# Altium PCB PCB1.PcbDoc (part 2 of 2)
Units mm, origin at the board's own origin, x right, y up, seen from the top; angles counter-clockwise.
Board outline 208 x 86 mm, 2 copper layers (Top Side, Bottom Layer), stack 1.571 mm thick; 59 components, 81 nets, 740 pads, 262 vias.
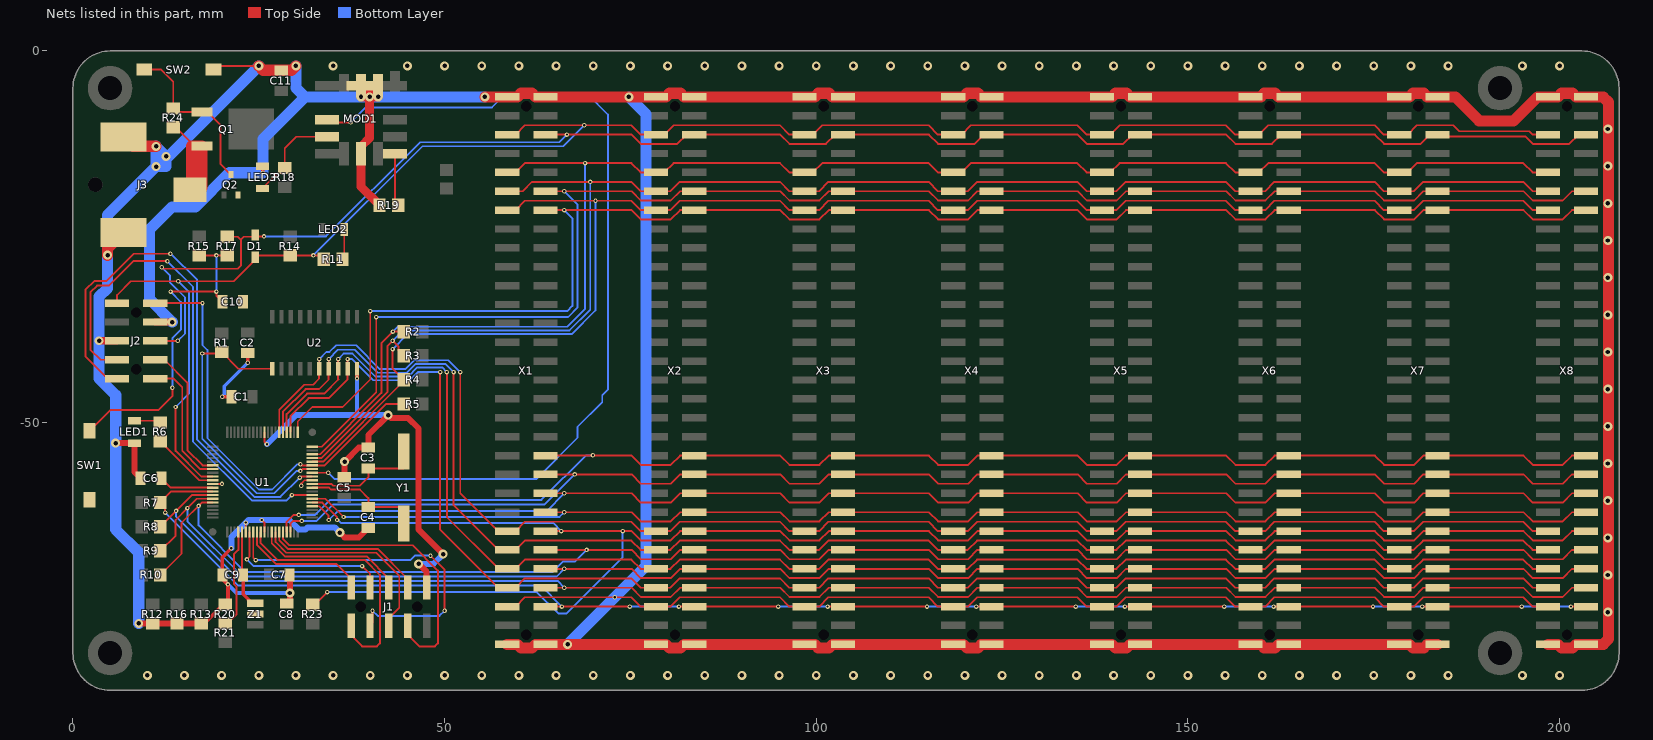
[diagram p2: the nets of this part, all layers, seen from the top]

## Via types
v1: diameter 0.6, hole 0.3, Top Side to Bottom Layer, tented both sides, 151 vias
v2: diameter 1.2, hole 0.6, Top Side to Bottom Layer, tented both sides, 111 vias

## Nets (pads, with @x,y where several pads share a name; then routed paths per layer and width w, separated by ;. In a path a pad name is that pad's centre, name@x,y a point inside that pad or via, vN(x,y) a via of type N, cw(c..) or ccw(c..) an arc to the next point about the centre after c; other vN are vias at no path point) (continued)
DB4: U1.66 U2.6 X1.47 X2.47 X3.47 X4.47 X5.47 X6.47 X7.47 X8.47 | length 207.3
  Top Side w0.25: U1.66@27.75,-51.3 27.75,-48.25 31.1,-44.9 32.3,-44.9 33.1,-44.1 33.1,-42.785 U2.6@33.135,-42.75 v1(33.135,-41.445) ; v1(52.1,-43.2) 52.1,-59.5 57.19,-64.59 X1.47@58.425,-64.59 59.55,-64.59 60.8,-63.34 75.12,-63.34 76.37,-64.59 X2.47@78.425,-64.59 80.38,-64.59 81.63,-63.34 95.12,-63.34 96.37,-64.59 X3.47@98.425,-64.59 100.38,-64.59 101.63,-63.34 115.12,-63.34 116.37,-64.59 X4.47@118.425,-64.59 120.38,-64.59 121.63,-63.34 135.12,-63.34 136.37,-64.59 X5.47@138.425,-64.59 140.38,-64.59 141.63,-63.34 155.12,-63.34 156.37,-64.59 X6.47@158.425,-64.59 160.38,-64.59 161.63,-63.34 175.12,-63.34 176.37,-64.59 X7.47@178.425,-64.59 180.38,-64.59 181.63,-63.34 195.12,-63.34 196.37,-64.59 X8.47@198.75,-64.59
  Bottom Layer w0.25: v1(33.135,-41.445) 34.08,-40.5 34.5,-40.5 35.4,-39.6 38.1,-39.6 41.3,-42.8 44.7,-42.8 45.9,-41.6 50.5,-41.6 v1(52.1,-43.2)
DB5: U1.65 U2.7 X1.49 X2.49 X3.49 X4.49 X5.49 X6.49 X7.49 X8.49 | length 207.9
  Top Side w0.25: U1.65@28.25,-51.3 28.25,-48.55 31.3,-45.5 33.1,-45.5 34.4,-44.2 34.4,-42.755 U2.7@34.405,-42.75 v1(34.405,-41.445) ; v1(51.2,-43.2) 51.2,-61.1 57.23,-67.13 X1.49@58.425,-67.13 59.55,-67.13 60.8,-65.88 75.12,-65.88 76.37,-67.13 X2.49@78.425,-67.13 80.38,-67.13 81.63,-65.88 95.12,-65.88 96.37,-67.13 X3.49@98.425,-67.13 100.38,-67.13 101.63,-65.88 115.12,-65.88 116.37,-67.13 X4.49@118.425,-67.13 120.38,-67.13 121.63,-65.88 135.12,-65.88 136.37,-67.13 X5.49@138.425,-67.13 140.38,-67.13 141.63,-65.88 155.12,-65.88 156.37,-67.13 X6.49@158.425,-67.13 160.38,-67.13 161.63,-65.88 175.12,-65.88 176.37,-67.13 X7.49@178.425,-67.13 180.38,-67.13 181.63,-65.88 195.12,-65.88 196.37,-67.13 X8.49@198.425,-67.13
  Bottom Layer w0.25: v1(34.405,-41.445) 35.65,-40.2 37.9,-40.2 41,-43.3 44.9,-43.3 46.1,-42.1 50.1,-42.1 v1(51.2,-43.2)
DB6: U1.64 U2.8 X1.51 X2.51 X3.51 X4.51 X5.51 X6.51 X7.51 X8.51 | length 208.8
  Top Side w0.25: U1.64@28.75,-51.3 28.75,-48.85 31.5,-46.1 33.8,-46.1 35.7,-44.2 35.675,-44.175 U2.8@35.675,-42.75 v1(35.675,-41.445) ; v1(50.3,-43.2) 50.3,-62.7 57.27,-69.67 X1.51@58.425,-69.67 59.55,-69.67 60.8,-68.42 75.12,-68.42 76.37,-69.67 X2.51@78.425,-69.67 80.38,-69.67 81.63,-68.42 95.12,-68.42 96.37,-69.67 X3.51@98.425,-69.67 100.38,-69.67 101.63,-68.42 115.12,-68.42 116.37,-69.67 X4.51@118.425,-69.67 120.38,-69.67 121.63,-68.42 135.12,-68.42 136.37,-69.67 X5.51@138.425,-69.67 140.38,-69.67 141.63,-68.42 155.12,-68.42 156.37,-69.67 X6.51@158.425,-69.67 160.38,-69.67 161.63,-68.42 175.12,-68.42 176.37,-69.67 X7.51@178.425,-69.67 180.38,-69.67 181.63,-68.42 195.12,-68.42 196.37,-69.67 X8.51@198.425,-69.67
  Bottom Layer w0.25: v1(35.675,-41.445) 36.42,-40.7 37.6,-40.7 40.7,-43.8 45.1,-43.8 46.325,-42.575 49.659,-42.575 50.284,-43.2 v1(50.3,-43.2)
DB7: U1.63 U2.9 X1.53 X2.53 X3.53 X4.53 X5.53 X6.53 X7.53 X8.53 | length 209.4
  Top Side w0.25: U1.63@29.25,-51.3 29.25,-49.15 31.7,-46.7 34.4,-46.7 36.945,-44.155 U2.9@36.945,-42.75 v1(36.945,-41.445) ; v1(49.4,-43.2) 49.4,-64.4 57.21,-72.21 X1.53@58.425,-72.21 59.55,-72.21 60.8,-70.96 75.12,-70.96 76.37,-72.21 X2.53@78.425,-72.21 80.38,-72.21 81.63,-70.96 95.12,-70.96 96.37,-72.21 X3.53@98.425,-72.21 100.38,-72.21 101.63,-70.96 115.12,-70.96 116.37,-72.21 X4.53@118.425,-72.21 120.38,-72.21 121.63,-70.96 135.12,-70.96 136.37,-72.21 X5.53@138.425,-72.21 140.38,-72.21 141.63,-70.96 155.12,-70.96 156.37,-72.21 X6.53@158.425,-72.21 160.38,-72.21 161.63,-70.96 175.12,-70.96 176.37,-72.21 X7.53@178.425,-72.21 180.38,-72.21 181.63,-70.96 195.12,-70.96 196.37,-72.21 X8.53@198.425,-72.21
  Bottom Layer w0.25: v1(36.945,-41.445) 37.545,-41.445 40.4,-44.3 45.3,-44.3 46.4,-43.2 v1(49.4,-43.2)
EDL#: R1.1 U1.54 U2.1 | length 41.1
  Top Side w0.25: v1(17.4,-40.7) 19.8,-40.7 R1.1@20,-40.5 22.25,-42.75 U2.1@26.785,-42.75 ; v1(30.6,-56.5) 30.85,-56.25 U1.54@32.2,-56.25
  Bottom Layer w0.25: v1(17.4,-40.7) 17.4,-52.2 24.7,-59.5 27.1,-59.5 30.1,-56.5 v1(30.6,-56.5)
GND: C1.2 C2.2 C3.2 C4.1 C5.2 C6.2 C7.2 C8.2 C9.2 C10.1 C11.2 J1.10 J2.4 J2.5 J3.2 J3.3 LED1.1 LED3.1 MOD1.3 MOD1.7 Q2.2 R12.2 R13.2 R16.2 R19.1 R20.2 SW1.1 SW2.1 U1.11 U1.26 U1.31 U1.51 U1.70 U2.10 X1.1 X1.2 X1.55 X1.59 X1.60 X2.1 X2.2 X2.55 X2.59 X2.60 X3.1 X3.2 X3.55 X3.59 X3.60 X4.1 X4.2 X4.55 X4.59 X4.60 X5.1 X5.2 X5.55 X5.59 X5.60 X6.1 X6.2 X6.55 X6.59 X6.60 X7.1 X7.2 X7.55 X7.59 X7.60 X8.1 X8.2 X8.55 X8.59 X8.60 Z1.2 | length 983.6
  Top Side w0.25: U1.11@18.8,-58.25 v1(20.05,-58.25) ; SW2.1@18.9,-2.5 19.4,-2 v2(25,-2) ; U1.26@23.25,-64.7 v1(23.25,-63.45) ; v1(25.4,-63.1) 25.75,-63.45 U1.31@25.75,-64.7 ; U1.70@25.75,-51.3 25.75,-52.55 v1(26.1,-52.9) ; v1(30.7,-58.5) 30.7,-58.2 31.15,-57.75 U1.51@32.2,-57.75 ; X1.55@58.425,-74.75 59.55,-74.75 60.8,-73.5 75.12,-73.5 76.37,-74.75 X2.55@78.425,-74.75 ; X2.55@79.55,-74.75 X2.55@78.425,-74.75 ; X3.55@99.55,-74.75 X3.55@98.425,-74.75 ; X4.55@119.55,-74.75 X4.55@118.425,-74.75 ; X5.55@139.55,-74.75 X5.55@138.425,-74.75 ; X6.55@159.55,-74.75 X6.55@158.425,-74.75 ; X7.55@179.55,-74.75 X7.55@178.425,-74.75 ; X8.55@199.55,-74.75 X8.55@198.425,-74.75 196.37,-74.75 195.12,-73.5 181.63,-73.5 180.38,-74.75 X7.55@178.425,-74.75 ; X2.55@78.425,-74.75 80.38,-74.75 81.63,-73.5 95.12,-73.5 96.37,-74.75 X3.55@98.425,-74.75 ; X3.55@98.425,-74.75 100.38,-74.75 101.63,-73.5 115.12,-73.5 116.37,-74.75 X4.55@118.425,-74.75 ; X4.55@118.425,-74.75 120.38,-74.75 121.63,-73.5 135.12,-73.5 136.37,-74.75 X5.55@138.425,-74.75 ; X5.55@138.425,-74.75 140.38,-74.75 141.63,-73.5 155.12,-73.5 156.37,-74.75 X6.55@158.425,-74.75 ; X6.55@158.425,-74.75 160.38,-74.75 161.63,-73.5 175.12,-73.5 176.37,-74.75 X7.55@178.425,-74.75
  Top Side w0.5: R13.2@17.25,-77 17.7,-77 20.2,-74.5 R20.2@20.5,-74.5 20.85,-74.15 v1(20.85,-71.775) 20.1,-71.025 C9.2@20.1,-70.5 20.1,-68.1 v1(21.3,-66.9) ; v1(20.075,-46.525) 21.325,-46.525 C1.2@21.35,-46.5 ; v1(23.5,-41.95) C2.2@23.5,-40.65 ; LED3.1@25.5,-15.5 25.45,-15.55 25.55,-15.65 v1(25.55,-16.375) ; v1(38.215,-44.05) U2.10@38.215,-42.75
  Top Side w0.8: v2(5.75,-52.75) LED1.1@8.25,-52.75 8.25,-56.65 C6.2@9.1,-57.5 ; v2(8.85,-77) R12.2@10.75,-77 R16.2@14,-77 R13.2@17.25,-77 ; C8.2@28.75,-74.35 29.175,-73.925 v2(29.175,-72.925) 29.175,-70.525 C7.2@29.15,-70.5 ; v2(35.9,-64.8) 36.55,-65.45 38.45,-65.45 C4.1@39.75,-64.15 ; C5.2@36.5,-57.35 36.55,-57.3 v2(36.55,-55.25) 38.45,-53.35 C3.2@39.75,-53.35 39.75,-51.65 v2(42.4,-49) 42.8,-49.4 45.1,-49.4 46.5,-50.8 46.5,-64.4 v2(49.8,-67.7) ; v2(46.5,-69) 47.58,-70.08 J1.10@47.58,-72.175
  Top Side w1: v2@3.54,-39 J2.5@5.925,-39 ; J2.4@11.075,-36.46 13.335,-36.46 v2(13.35,-36.475)
  Top Side w1.2: MOD1.3@38.75,-4.68 v2(38.75,-6.175) MOD1.3@39.35,-6.175 ; 40.15,-5.375 MOD1.3@39.35,-6.175 ; MOD1.3@41.04,-4.68 MOD1.3@41.04,-6.165 ; v2(41.05,-6.175) MOD1.3@41.04,-6.165 ; R19.1@41.25,-20.75 38.75,-18.25 MOD1.7@38.75,-13.82 38.75,-12.85 39.9,-11.7 v2(39.9,-6.175) ; MOD1.3@39.35,-6.175 v2(39.9,-6.175) ; v2(39.9,-6.175) 41.03,-6.175 MOD1.3@41.04,-6.165
  Top Side w1.5: v2(4.65,-27.475) 4.65,-26.6 J3.3@6.8,-24.45 ; J3.2@6.8,-11.55 8.075,-12.825 v2(11.175,-12.825) ; v2(25,-2) 25.6,-2.6 C11.2@28,-2.6 29.4,-2.6 v2(30,-2) ; v2(55.425,-6.175) 55.43,-6.17 X1.1@58.425,-6.17 59.795,-6.17 60.275,-5.69 61.725,-5.69 62.205,-6.17 X1.2@63.575,-6.17 X2.1@78.425,-6.17 X2.1@79.795,-6.17 ; X1.59@58.425,-79.83 59.795,-79.83 60.275,-80.31 61.725,-80.31 62.205,-79.83 X1.60@63.575,-79.83 v2(66.55,-79.83) X2.59@78.425,-79.83 79.795,-79.83 80.275,-80.31 81.725,-80.31 82.205,-79.83 X2.60@83.575,-79.83 X3.59@99.795,-79.83 ; X3.59@98.425,-79.83 X3.59@99.795,-79.83 ; X7.59@178.425,-79.83 X7.59@179.795,-79.83 ; X7.60@183.575,-79.83 182.205,-79.83 181.725,-80.31 180.275,-80.31 X7.59@179.795,-79.83 ; X8.59@198.425,-79.83 199.795,-79.83 200.275,-80.31 201.725,-80.31 202.205,-79.83 X8.60@203.575,-79.83 205.87,-79.83 206.6,-79.1 206.6,-6.9 205.87,-6.17 X8.2@203.575,-6.17 202.205,-6.17 201.725,-5.69 ; X2.1@79.795,-6.17 80.275,-5.69 ; X2.1@79.795,-6.17 80.275,-5.69 ; 80.275,-5.69 81.725,-5.69 ; 80.275,-5.69 81.725,-5.69 ; 81.725,-5.69 82.205,-6.17 X3.1@99.795,-6.17 ; X3.59@99.795,-79.83 100.275,-80.31 101.725,-80.31 102.205,-79.83 X3.60@103.575,-79.83 X4.59@118.425,-79.83 119.795,-79.83 120.275,-80.31 121.725,-80.31 122.205,-79.83 X4.60@123.575,-79.83 X5.59@138.425,-79.83 139.795,-79.83 140.275,-80.31 141.725,-80.31 142.205,-79.83 X5.60@143.575,-79.83 X6.59@158.425,-79.83 159.795,-79.83 160.275,-80.31 161.725,-80.31 162.205,-79.83 X6.60@163.575,-79.83 X7.59@179.795,-79.83 ; X3.1@99.795,-6.17 100.275,-5.69 ; X3.1@99.795,-6.17 100.275,-5.69 ; 100.275,-5.69 101.725,-5.69 ; 100.275,-5.69 101.725,-5.69 ; 101.725,-5.69 102.205,-6.17 X4.1@118.425,-6.17 ; X4.1@118.425,-6.17 X4.1@119.795,-6.17 ; X4.1@118.425,-6.17 X4.1@119.795,-6.17 ; X4.1@119.795,-6.17 120.275,-5.69 ; X4.1@119.795,-6.17 120.275,-5.69 ; 120.275,-5.69 121.725,-5.69 ; 120.275,-5.69 121.725,-5.69 ; 121.725,-5.69 122.205,-6.17 X5.1@138.425,-6.17 ; X5.1@138.425,-6.17 X5.1@139.795,-6.17 ; X5.1@138.425,-6.17 X5.1@139.795,-6.17 ; X5.1@139.795,-6.17 140.275,-5.69 ; X5.1@139.795,-6.17 140.275,-5.69 ; 140.275,-5.69 141.725,-5.69 ; 140.275,-5.69 141.725,-5.69 ; 141.725,-5.69 142.205,-6.17 X6.1@158.425,-6.17 ; X6.1@158.425,-6.17 X6.1@159.795,-6.17 ; X6.1@158.425,-6.17 X6.1@159.795,-6.17 ; X6.1@159.795,-6.17 160.275,-5.69 ; X6.1@159.795,-6.17 160.275,-5.69 ; 160.275,-5.69 161.725,-5.69 ; 160.275,-5.69 161.725,-5.69 ; 161.725,-5.69 162.205,-6.17 X7.1@179.795,-6.17 ; X7.1@179.795,-6.17 180.275,-5.69 ; X7.1@179.795,-6.17 180.275,-5.69 ; 180.275,-5.69 181.725,-5.69 ; 180.275,-5.69 181.725,-5.69 ; 181.725,-5.69 182.205,-6.17 X7.2@183.575,-6.17 185.97,-6.17 189.2,-9.4 193.8,-9.4 197.03,-6.17 X8.1@198.425,-6.17 X8.1@199.795,-6.17 ; X8.1@199.795,-6.17 200.275,-5.69 ; X8.1@199.795,-6.17 200.275,-5.69 ; 200.275,-5.69 201.725,-5.69 ; 200.275,-5.69 201.725,-5.69
  Bottom Layer w0.5: v1(20.075,-46.525) 20.35,-46.25 20.35,-45.1 v1(23.5,-41.95) ; v1(20.85,-71.775) 22,-72.925 v2(29.175,-72.925) ; 38.15,-49 38.215,-48.935 v1(38.215,-44.05)
  Bottom Layer w0.8: v1(21.3,-66.9) 21.3,-65.4 v1(23.25,-63.45) 23.6,-63.1 v1(25.4,-63.1) 29.125,-63.1 30.375,-64.35 31.3,-64.35 31.55,-64.1 35.2,-64.1 v2(35.9,-64.8) ; v1(26.1,-52.9) 30,-49 38.15,-49 v2(42.4,-49) ; v2(46.5,-69) 48.5,-69 v2(49.8,-67.7)
  Bottom Layer w1.5: v2(8.85,-77) 8.85,-67.45 5.75,-64.35 v2(5.75,-52.75) 5.75,-46.3 3.525,-44.075 v2(3.525,-38.985) 3.525,-33.05 4.65,-31.925 v2(4.65,-27.475) 4.65,-22.075 v2(11.175,-15.55) v2@11.175,-15.225 ; v2(13.35,-36.475) 10.275,-33.4 10.275,-24 13.3,-20.975 16.475,-20.975 21.075,-16.375 v1(25.55,-16.375) 25.55,-11.825 31.2,-6.175 ; v2(25,-2) 12.825,-14.175 v2(12.525,-14.175) ; v2(30,-2) 30,-4.975 31.2,-6.175 ; v2(55.425,-6.175) v2(41.05,-6.175) v2(39.9,-6.175) v2(38.75,-6.175) 31.2,-6.175 ; v2(66.55,-79.83) 77.1,-69.28 77.1,-8.47 v2(74.8,-6.17) ; v2@11.175,-15.225 11.5,-15.55 12.525,-15.55 v2(12.525,-14.175) ; v2@11.175,-15.225 v2(11.175,-12.825) v2(12.525,-14.175)
  other v1: 72.875,-73.505
  other v2: 10,-84 15,-84 20,-84 25,-84 30,-84 35,-84 40,-84 45,-84 50,-84 55,-84 60,-84 65,-84 70,-84 75,-84 80,-84 85,-84 90,-84 95,-84 100,-84 105,-84 110,-84 115,-84 120,-84 125,-84 130,-84 135,-84 140,-84 145,-84 150,-84 155,-84 160,-84 165,-84 170,-84 175,-84 180,-84 185,-84 195,-84 200,-84 206.5,-75.5 206.5,-70.5 206.5,-65.5 206.5,-60.5 206.5,-55.5 206.5,-50.5 206.5,-45.5 206.5,-40.5 206.5,-35.5 206.5,-30.5 206.5,-25.5 206.5,-20.5 206.5,-15.5 206.5,-10.5 35,-2 45,-2 50,-2 55,-2 60,-2 65,-2 70,-2 75,-2 80,-2 85,-2 90,-2 95,-2 100,-2 105,-2 110,-2 115,-2 120,-2 125,-2 130,-2 135,-2 140,-2 145,-2 150,-2 155,-2 160,-2 165,-2 170,-2 175,-2 180,-2 185,-2 195,-2 200,-2
INT0#: R2.2 U1.58 X1.9 X2.9 X3.9 X4.9 X5.9 X6.9 X7.9 X8.9 | length 218.2
  Top Side w0.25: U1.58@32.2,-54.25 33.25,-54.25 41.5,-46 41.5,-39.3 v1(43.05,-37.75) R2.2@44.5,-37.75 ; X1.9@58.425,-16.33 59.55,-16.33 60.8,-15.08 v1(68.9,-15.08) 75.12,-15.08 76.37,-16.33 X2.9@78.425,-16.33 79.55,-16.33 80.8,-15.08 95.12,-15.08 96.37,-16.33 X3.9@98.425,-16.33 99.55,-16.33 100.8,-15.08 115.12,-15.08 116.37,-16.33 X4.9@118.425,-16.33 119.55,-16.33 120.8,-15.08 135.12,-15.08 136.37,-16.33 X5.9@138.425,-16.33 139.55,-16.33 140.8,-15.08 155.12,-15.08 156.37,-16.33 X6.9@158.425,-16.33 159.55,-16.33 160.8,-15.08 175.12,-15.08 176.37,-16.33 X7.9@178.425,-16.33 179.55,-16.33 180.8,-15.08 195.12,-15.08 196.37,-16.33 X8.9@198.425,-16.33 X8.9@199.55,-16.33
  Bottom Layer w0.25: v1(43.05,-37.75) 43.7,-37.1 66.5,-37.1 68.9,-34.7 v1(68.9,-15.08)
INT1#: R3.2 U1.57 X1.11 X2.11 X3.11 X4.11 X5.11 X6.11 X7.11 X8.11 | length 216.7
  Top Side w0.25: U1.57@32.2,-54.75 33.45,-54.75 42.3,-45.9 42.3,-39.7 v1(43,-39) 43.8,-39.8 43.8,-40.3 R3.2@44.5,-41 ; X1.11@58.425,-18.87 60.505,-18.87 61.755,-17.62 v1(69.6,-17.62) 75.12,-17.62 76.37,-18.87 X2.11@78.425,-18.87 80.38,-18.87 81.63,-17.62 95.12,-17.62 96.37,-18.87 X3.11@98.425,-18.87 100.38,-18.87 101.63,-17.62 115.12,-17.62 116.37,-18.87 X4.11@118.425,-18.87 120.38,-18.87 121.63,-17.62 135.12,-17.62 136.37,-18.87 X5.11@138.425,-18.87 140.38,-18.87 141.63,-17.62 155.12,-17.62 156.37,-18.87 X6.11@158.425,-18.87 160.38,-18.87 161.63,-17.62 175.12,-17.62 176.37,-18.87 X7.11@178.425,-18.87 180.38,-18.87 181.63,-17.62 195.12,-17.62 196.37,-18.87 X8.11@198.75,-18.87
  Bottom Layer w0.25: v1(43,-39) 44.4,-37.6 66.8,-37.6 69.6,-34.8 v1(69.6,-17.62)
INT2#: R4.2 U1.56 X1.13 X2.13 X3.13 X4.13 X5.13 X6.13 X7.13 X8.13 | length 213.2
  Top Side w0.25: U1.56@32.2,-55.25 33.65,-55.25 44.5,-44.4 R4.2@44.5,-44.25 43,-42.75 v1(43,-40.1) ; X1.13@58.425,-21.41 59.55,-21.41 60.8,-20.16 v1(70.3,-20.16) 75.12,-20.16 76.37,-21.41 X2.13@78.425,-21.41 80.38,-21.41 81.63,-20.16 95.12,-20.16 96.37,-21.41 X3.13@98.425,-21.41 100.38,-21.41 101.63,-20.16 115.12,-20.16 116.37,-21.41 X4.13@118.425,-21.41 120.38,-21.41 121.63,-20.16 135.12,-20.16 136.37,-21.41 X5.13@138.425,-21.41 140.38,-21.41 141.63,-20.16 155.12,-20.16 156.37,-21.41 X6.13@158.425,-21.41 160.38,-21.41 161.63,-20.16 175.12,-20.16 176.37,-21.41 X7.13@178.425,-21.41 180.38,-21.41 181.63,-20.16 195.12,-20.16 196.37,-21.41 X8.13@198.425,-21.41
  Bottom Layer w0.25: v1(43,-40.1) 45,-38.1 67.1,-38.1 70.3,-34.9 v1(70.3,-20.16)
INT3#: J2.2 R5.2 U1.55 | length 59
  Top Side w0.25: J2.2@11.075,-33.92 v1@17.245,-33.92 ; v1@17.25,-33.925 v1@17.245,-33.92 ; v1(17.425,-33.925) 17.42,-33.92 v1@17.245,-33.92 ; v1(30.6,-55.6) 30.75,-55.75 U1.55@32.2,-55.75 33.85,-55.75 42.1,-47.5 R5.2@44.5,-47.5
  Bottom Layer w0.25: v1(17.425,-33.925) 17.425,-39.575 18.1,-40.25 18.1,-52.1 25,-59 26.8,-59 30.2,-55.6 v1(30.6,-55.6)
IO0: J1.1 U1.30 | length 34.5
  Top Side w0.25: U1.30@25.25,-64.7 25.25,-66.2 27.55,-68.5 39.3,-68.5 41.3,-70.5 41.3,-79.7 40.9,-80.1 38.9,-80.1 37.42,-78.62 J1.1@37.42,-77.325
IO1: J1.2 U1.29 | length 17.5
  Top Side w0.25: U1.29@24.75,-64.7 24.75,-66.45 27.3,-69 35.4,-69 37.42,-71.02 J1.2@37.42,-72.175
IO2: J1.3 U1.28 | length 48.3
  Top Side w0.25: U1.28@24.25,-64.7 24.25,-68.15 v1(24.6,-68.5) ; J1.3@39.96,-77.325 40.3,-76.985 v1(40.3,-75.3) ; v1(48.1,-67.9) 50,-69.8 v1(50,-75.3)
  Bottom Layer w0.25: v1(24.6,-68.5) 45.4,-68.5 46,-67.9 v1(48.1,-67.9) ; v1(40.3,-75.3) 41,-76 49.3,-76 v1(50,-75.3)
IO3: J1.4 U1.27 | length 23
  Top Side w0.25: v1(23.4,-68.4) 23.75,-68.05 U1.27@23.75,-64.7 ; v1(38.9,-69.3) 39.96,-70.36 J1.4@39.96,-72.175
  Bottom Layer w0.25: v1(23.4,-68.4) 24.3,-69.3 v1(38.9,-69.3)
IO4: J1.5 U1.34 | length 27.2
  Top Side w0.25: U1.34@27.25,-64.7 27.25,-66.05 28.7,-67.5 40.8,-67.5 43.9,-70.6 43.9,-74.9 42.5,-76.3 J1.5@42.5,-77.325
IO5: J1.6 U1.33 | length 20.4
  Top Side w0.25: U1.33@26.75,-64.7 26.75,-66.25 28.5,-68 39.5,-68 42.5,-71 J1.6@42.5,-72.175
IO6: J1.7 U1.36 | length 39.4
  Top Side w0.25: U1.36@28.25,-64.7 28.25,-65.65 29.1,-66.5 45.7,-66.5 49.1,-69.9 49.1,-79.7 48.7,-80.1 46.6,-80.1 45.04,-78.54 J1.7@45.04,-77.325
IO7: J1.8 U1.35 | length 21.7
  Top Side w0.25: U1.35@27.75,-64.7 27.75,-65.85 28.9,-67 41,-67 45.04,-71.04 J1.8@45.04,-72.175
MCLR#: D1.2 J2.1 R11.1 R14.1 U1.9 X1.5 X2.5 X3.5 X4.5 X5.5 X6.5 X7.5 X8.5 | length 254.2
  Top Side w0.25: J2.1@5.925,-33.92 5.925,-32.85 7.8,-30.975 v1(14.175,-30.975) 21.625,-30.975 24.5,-28.1 D1.2@24.5,-27.75 24.75,-27.5 R14.1@29.25,-27.5 33.25,-27.5 R11.1@33.75,-28 ; v1(13.8,-47.9) 13.8,-53.8 17.25,-57.25 U1.9@18.8,-57.25 ; X1.5@58.425,-11.25 59.55,-11.25 60.8,-10 v1(68.8,-10) 75.12,-10 76.37,-11.25 X2.5@78.425,-11.25 79.55,-11.25 80.8,-10 95.12,-10 96.37,-11.25 X3.5@98.425,-11.25 99.55,-11.25 100.8,-10 115.12,-10 116.37,-11.25 X4.5@118.425,-11.25 119.55,-11.25 120.8,-10 135.12,-10 136.37,-11.25 X5.5@138.425,-11.25 139.55,-11.25 140.8,-10 155.12,-10 156.37,-11.25 X6.5@158.425,-11.25 159.55,-11.25 160.8,-10 175.12,-10 176.37,-11.25 X7.5@178.425,-11.25 179.55,-11.25 180.8,-10 185.7,-10 186.5,-10.8 195.92,-10.8 196.37,-11.25 X8.5@198.425,-11.25 X8.5@199.55,-11.25
  Bottom Layer w0.25: v1(13.8,-47.9) 15.6,-46.1 15.6,-32.4 v1(14.175,-30.975) ; v1(32.35,-27.5) 47.025,-12.825 65.975,-12.825 v1(68.8,-10)
MISO: R23.2 U1.45 X1.48 X2.48 X3.48 X4.48 X5.48 X6.48 X7.48 X8.48 | length 232.8
  Top Side w0.25: U1.45@32.2,-60.75 33.55,-60.75 35.525,-62.725 v1(35.525,-63.1) ; R23.2@32.25,-74.5 32.5,-74.5 v1(34.2,-72.8) ; X1.48@63.575,-64.59 v1(65.7,-64.59) v1(73.95,-64.59) 75.15,-64.59 76.4,-65.84 80.42,-65.84 81.67,-64.59 X2.48@83.575,-64.59 95.15,-64.59 96.4,-65.84 100.42,-65.84 101.67,-64.59 X3.48@103.575,-64.59 115.15,-64.59 116.4,-65.84 120.42,-65.84 121.67,-64.59 X4.48@123.575,-64.59 135.15,-64.59 136.4,-65.84 140.42,-65.84 141.67,-64.59 X5.48@143.575,-64.59 155.15,-64.59 156.4,-65.84 160.42,-65.84 161.67,-64.59 X6.48@163.575,-64.59 175.15,-64.59 176.4,-65.84 180.42,-65.84 181.67,-64.59 X7.48@183.575,-64.59 195.15,-64.59 196.4,-65.84 200.42,-65.84 201.67,-64.59 X8.48@203.575,-64.59
  Bottom Layer w0.25: v1(34.2,-72.8) 62.425,-72.8 65.325,-75.7 66.375,-75.7 73.95,-68.125 v1(73.95,-64.59) ; v1(35.525,-63.1) 35.625,-63.1 36.025,-63.5 64.61,-63.5 v1(65.7,-64.59)
MOSI: U1.46 X1.46 X2.46 X3.46 X4.46 X5.46 X6.46 X7.46 X8.46 | length 182.4
  Top Side w0.25: U1.46@32.2,-60.25 33.95,-60.25 v1(36.4,-62.7) ; X1.46@63.575,-62.05 v1(66.1,-62.05) 75.15,-62.05 76.4,-63.3 80.42,-63.3 81.67,-62.05 X2.46@83.575,-62.05 95.15,-62.05 96.4,-63.3 100.42,-63.3 101.67,-62.05 X3.46@103.575,-62.05 115.15,-62.05 116.4,-63.3 120.42,-63.3 121.67,-62.05 X4.46@123.575,-62.05 135.15,-62.05 136.4,-63.3 140.42,-63.3 141.67,-62.05 X5.46@143.575,-62.05 155.15,-62.05 156.4,-63.3 160.42,-63.3 161.67,-62.05 X6.46@163.575,-62.05 175.15,-62.05 176.4,-63.3 180.42,-63.3 181.67,-62.05 X7.46@183.575,-62.05 195.15,-62.05 196.4,-63.3 200.42,-63.3 201.67,-62.05 X8.46@203.575,-62.05
  Bottom Layer w0.25: v1(36.4,-62.7) 65.45,-62.7 v1(66.1,-62.05)
NetC3_1: C3.1 U1.50 Y1.2 | length 16.3
  Top Side w0.25: U1.50@32.2,-58.25 34.75,-58.25 35,-58.5 38.6,-58.5 39.75,-57.35 C3.1@39.75,-56.15 44.5,-56.15 Y1.2@44.5,-53.9
NetC4_2: C4.2 U1.49 Y1.1 | length 16.3
  Top Side w0.25: U1.49@32.2,-58.75 34.45,-58.75 34.7,-59 38.6,-59 39.75,-60.15 C4.2@39.75,-61.35 44.5,-61.35 Y1.1@44.5,-63.6
NetC6_1: C6.1 U1.12 | length 7.4
  Top Side w0.25: C6.1@11.9,-57.5 13.15,-58.75 U1.12@18.8,-58.75
NetC9_1: C9.1 U1.25 Z1.3 | length 10.6
  Top Side w0.25: U1.25@22.75,-64.7 22.75,-70.35 C9.1@22.9,-70.5
  Top Side w0.5: C9.1@22.9,-70.5 22.9,-73.1 24.1,-74.3 Z1.3@24.5,-74.3
NetC10_2: C10.2 R15.1 R17.1 SW1.2 | length 44.7
  Top Side w0.25: SW1.2@2.25,-51.1 5.025,-48.325 11.5,-48.325 13.375,-46.45 v1(13.375,-45.3) ; v1(13.125,-32.375) v1(19.3,-32.375) 19.3,-32.95 C10.2@20.1,-33.75 ; R15.1@17,-27.5 R17.1@20.75,-27.5
  Bottom Layer w0.25: v1(13.125,-32.375) 14.525,-33.775 14.525,-37.5 13.375,-38.65 v1(13.375,-45.3) ; v1(19.3,-32.375) v1(19.3,-27.5)
NetJ3_1: J3.1 Q1.2 R24.2 | length 18.3
  Top Side w0.25: R24.2@13.5,-10.25 13.8,-10.25 Q1.2@16.33,-12.78
  Top Side w1.5: J3.1@15.75,-18.65 J3.1@15.95,-18.45 ; J3.1@15.95,-18.45 15.95,-12.78 16.33,-12.78 Q1.2@17.35,-12.78 17.35,-18.45 J3.1@15.95,-18.45
NetLED1_2: LED1.2 R6.1 | length 3.6
  Top Side w0.25: LED1.2@8.25,-49.75 11.5,-49.75 R6.1@11.75,-50
NetLED2_1: LED2.1 R11.2 | length 4.1
  Top Side w0.25: R11.2@36.25,-28 36.5,-27.75 LED2.1@36.5,-24
NetLED3_2: LED3.2 MOD1.10 R18.2 | length 13.3
  Top Side w0.25: LED3.2@25.5,-18.5 25.5,-18.45 R18.2@28.2,-15.75 ; R18.2@28.075,-15.75 R18.2@28.2,-15.75 ; MOD1.10@34.18,-11.54 30.035,-11.54 28.5,-13.075 R18.2@28.5,-15.75 R18.2@28.2,-15.75
NetMOD1_6: MOD1.6 R19.2 | length 7.1
  Top Side w0.25: MOD1.6@43.32,-13.82 43.32,-20.32 R19.2@43.75,-20.75
NetQ1_1: Q1.1 Q2.3 R24.1 SW2.2 | length 22.7
  Top Side w0.25: SW2.2@9.6,-2.5 11.875,-2.5 13.5,-4.125 R24.1@13.5,-7.75 13.97,-8.22 Q1.1@17.35,-8.22 18.12,-8.22 19.825,-9.925 19.825,-15.2 Q2.3@21.25,-16.625
NetR6_2: R6.2 U1.10 | length 9.2
  Top Side w0.25: R6.2@11.75,-52.5 17,-57.75 U1.10@18.8,-57.75
NetR20_1: R20.1 R21.1 U1.24 | length 13.5
  Top Side w0.25: R21.1@20.5,-77 20.825,-77 22.025,-75.8 22.025,-72.075 21.65,-71.7 21.65,-67.725 22.25,-67.125 U1.24@22.25,-64.7
OFF#: MOD1.1 U1.53 | length 124.1
  Top Side w0.25: U1.53@32.2,-56.75 v1(34.35,-56.75) ; MOD1.1@34.18,-9.25 34.555,-9.625 v1(37.35,-9.625)
  Bottom Layer w0.25: v1(34.35,-56.75) 35.2,-57.6 62.3,-57.6 67.875,-52.025 67.875,-50.575 71.2,-47.25 71.2,-46.325 71.975,-45.55 71.975,-8.55 69.3,-5.875 58.1,-5.875 56.375,-7.6 39.375,-7.6 v1(37.35,-9.625)
PGC: J2.9 U1.52 | length 74.3
  Top Side w0.25: J2.9@5.925,-44.08 4.68,-44.08 1.675,-41.075 1.675,-32.15 2.9,-30.925 4.525,-30.925 8.175,-27.275 v1(13.113,-27.275) ; v1(30.5,-57.4) 30.65,-57.25 U1.52@32.2,-57.25
  Bottom Layer w0.25: v1(13.113,-27.275) 13.175,-27.275 16.7,-30.8 16.7,-52.3 24.4,-60 27.9,-60 v1(30.5,-57.4)
PGD: J2.7 U1.47 | length 69.3
  Top Side w0.25: J2.7@5.925,-41.54 3.715,-41.54 2.35,-40.175 2.35,-32.475 3.25,-31.575 4.825,-31.575 8.125,-28.275 v1(12.7,-28.275) ; v1(29.45,-59.75) U1.47@32.2,-59.75
  Bottom Layer w0.25: v1(12.7,-28.275) 16.15,-31.725 16.15,-52.55 24.1,-60.5 28.7,-60.5 v1(29.45,-59.75)
RD#: U1.61 X1.14 X2.14 X3.14 X4.14 X5.14 X6.14 X7.14 X8.14 | length 210.8
  Top Side w0.25: U1.61@30.25,-51.3 30.25,-49.85 32.2,-47.9 36.3,-47.9 40,-44.2 v1(40,-35) ; X1.14@63.575,-21.41 v1(66.1,-21.41) 75.15,-21.41 76.4,-22.66 80.42,-22.66 81.67,-21.41 X2.14@83.575,-21.41 95.15,-21.41 96.4,-22.66 100.42,-22.66 101.67,-21.41 X3.14@103.575,-21.41 115.15,-21.41 116.4,-22.66 120.42,-22.66 121.67,-21.41 X4.14@123.575,-21.41 135.15,-21.41 136.4,-22.66 140.42,-22.66 141.67,-21.41 X5.14@143.575,-21.41 155.15,-21.41 156.4,-22.66 160.42,-22.66 161.67,-21.41 X6.14@163.575,-21.41 175.15,-21.41 176.4,-22.66 180.42,-22.66 181.67,-21.41 X7.14@183.575,-21.41 195.15,-21.41 196.4,-22.66 200.42,-22.66 201.67,-21.41 X8.14@203.575,-21.41
  Bottom Layer w0.25: v1(40,-35) 66.5,-35 67.2,-34.3 67.2,-22.51 v1(66.1,-21.41)
RESET#: D1.1 J2.6 R17.2 X1.6 X2.6 X3.6 X4.6 X5.6 X6.6 X7.6 X8.6 | length 228.2
  Top Side w0.25: J2.6@11.075,-39 v1(14.1,-39) ; v1(11.95,-29.1) 12.15,-29.3 22.2,-29.3 22.6,-28.9 22.6,-25.4 ; R17.2@20.75,-25 22.2,-25 22.6,-25.4 ; v1(25.7,-24.95) 24.7,-24.95 D1.1@24.5,-24.75 24.25,-25 23,-25 22.6,-25.4 ; X1.6@63.575,-11.25 75.15,-11.25 76.4,-12.5 81.3,-12.5 82.55,-11.25 X2.6@83.575,-11.25 95.15,-11.25 96.4,-12.5 101.3,-12.5 102.55,-11.25 X3.6@103.575,-11.25 115.15,-11.25 116.4,-12.5 121.3,-12.5 122.55,-11.25 X4.6@123.575,-11.25 135.15,-11.25 136.4,-12.5 141.3,-12.5 142.55,-11.25 X5.6@143.575,-11.25 155.15,-11.25 156.4,-12.5 161.3,-12.5 162.55,-11.25 X6.6@163.575,-11.25 175.15,-11.25 176.4,-12.5 181.3,-12.5 182.55,-11.25 X7.6@183.575,-11.25 183.825,-11.5 195.4,-11.5 196.4,-12.5 201.3,-12.5 202.55,-11.25 X8.6@203.575,-11.25
  Bottom Layer w0.25: v1(11.95,-29.1) 13.05,-30.2 13.05,-31.1 15.075,-33.125 15.075,-38.025 v1(14.1,-39) ; v1(25.7,-24.95) 34.025,-24.95 46.7,-12.275 65.425,-12.275 v1(66.45,-11.25)
RXC: J2.10 U1.7 | length 17.8
  Top Side w0.25: J2.10@11.075,-44.08 13.555,-44.08 14.7,-45.225 14.7,-53.8 17.15,-56.25 U1.7@18.8,-56.25
RXD: U1.38 X1.42 X2.42 X3.42 X4.42 X5.42 X6.42 X7.42 X8.42 | length 189.3
  Top Side w0.25: U1.38@29.25,-64.7 29.25,-63.623 29.648,-63.225 v1(30.775,-63.225) ; X1.42@63.575,-56.97 v1(67.5,-56.97) 75.15,-56.97 76.4,-58.22 80.42,-58.22 81.67,-56.97 X2.42@83.575,-56.97 95.15,-56.97 96.4,-58.22 100.42,-58.22 101.67,-56.97 X3.42@103.575,-56.97 115.15,-56.97 116.4,-58.22 120.42,-58.22 121.67,-56.97 X4.42@123.575,-56.97 135.15,-56.97 136.4,-58.22 140.42,-58.22 141.67,-56.97 X5.42@143.575,-56.97 155.15,-56.97 156.4,-58.22 160.42,-58.22 161.67,-56.97 X6.42@163.575,-56.97 175.15,-56.97 176.4,-58.22 180.42,-58.22 181.67,-56.97 X7.42@183.575,-56.97 195.15,-56.97 196.4,-58.22 200.42,-58.22 201.67,-56.97 X8.42@203.575,-56.97
  Bottom Layer w0.25: v1(30.775,-63.225) 32.775,-63.225 35,-61 63.47,-61 v1(67.5,-56.97)
SCLK: U1.44 X1.44 X2.44 X3.44 X4.44 X5.44 X6.44 X7.44 X8.44 | length 183.8
  Top Side w0.25: U1.44@32.2,-61.25 33.15,-61.25 34.4,-62.5 v1(34.4,-63.1) ; X1.44@63.575,-59.51 v1(66.1,-59.51) 75.15,-59.51 76.4,-60.76 80.42,-60.76 81.67,-59.51 X2.44@83.575,-59.51 95.15,-59.51 96.4,-60.76 100.42,-60.76 101.67,-59.51 X3.44@103.575,-59.51 115.15,-59.51 116.4,-60.76 120.42,-60.76 121.67,-59.51 X4.44@123.575,-59.51 135.15,-59.51 136.4,-60.76 140.42,-60.76 141.67,-59.51 X5.44@143.575,-59.51 155.15,-59.51 156.4,-60.76 160.42,-60.76 161.67,-59.51 X6.44@163.575,-59.51 175.15,-59.51 176.4,-60.76 180.42,-60.76 181.67,-59.51 X7.44@183.575,-59.51 195.15,-59.51 196.4,-60.76 200.42,-60.76 201.67,-59.51 X8.44@203.575,-59.51
  Bottom Layer w0.25: v1(34.4,-63.1) 35.6,-61.9 63.71,-61.9 v1(66.1,-59.51)
SEL0#: R10.2 U1.16 X1.50 X2.50 X3.50 X4.50 X5.50 X6.50 X7.50 X8.50 | length 219.4
  Top Side w0.25: R10.2@11.75,-70.5 14.6,-67.65 14.6,-63.5 17.35,-60.75 U1.16@18.8,-60.75 ; X1.50@63.575,-67.13 v1(69.1,-67.13) 75.15,-67.13 76.4,-68.38 80.42,-68.38 81.67,-67.13 X2.50@83.575,-67.13 95.15,-67.13 96.4,-68.38 100.42,-68.38 101.67,-67.13 X3.50@103.575,-67.13 115.15,-67.13 116.4,-68.38 120.42,-68.38 121.67,-67.13 X4.50@123.575,-67.13 135.15,-67.13 136.4,-68.38 140.42,-68.38 141.67,-67.13 X5.50@143.575,-67.13 155.15,-67.13 156.4,-68.38 160.42,-68.38 161.67,-67.13 X6.50@163.575,-67.13 175.15,-67.13 176.4,-68.38 180.42,-68.38 181.67,-67.13 X7.50@183.575,-67.13 195.15,-67.13 196.4,-68.38 200.42,-68.38 201.67,-67.13 X8.50@203.575,-67.13
  Bottom Layer w0.25: v1(16.9,-61.2) 16.9,-63.825 23.175,-70.1 64.5,-70.1 65.9,-68.7 67.53,-68.7 v1(69.1,-67.13)
SEL1#: R9.2 U1.15 X1.52 X2.52 X3.52 X4.52 X5.52 X6.52 X7.52 X8.52 | length 214.4
  Top Side w0.25: R9.2@11.75,-67.25 13.8,-65.2 13.8,-63.1 v1(15.4,-61.5) 16.65,-60.25 U1.15@18.8,-60.25 ; X1.52@63.575,-69.67 v1(66.1,-69.67) 75.15,-69.67 76.4,-70.92 80.42,-70.92 81.67,-69.67 X2.52@83.575,-69.67 95.15,-69.67 96.4,-70.92 100.42,-70.92 101.67,-69.67 X3.52@103.575,-69.67 115.15,-69.67 116.4,-70.92 120.42,-70.92 121.67,-69.67 X4.52@123.575,-69.67 135.15,-69.67 136.4,-70.92 140.42,-70.92 141.67,-69.67 X5.52@143.575,-69.67 155.15,-69.67 156.4,-70.92 160.42,-70.92 161.67,-69.67 X6.52@163.575,-69.67 175.15,-69.67 176.4,-70.92 180.42,-70.92 181.67,-69.67 X7.52@183.575,-69.67 195.15,-69.67 196.4,-70.92 200.42,-70.92 201.67,-69.67 X8.52@203.575,-69.67
  Bottom Layer w0.25: v1(15.4,-61.5) 15.4,-63.25 22.85,-70.7 65.07,-70.7 v1(66.1,-69.67)
SEL2#: R8.2 U1.14 X1.54 X2.54 X3.54 X4.54 X5.54 X6.54 X7.54 X8.54 | length 213
  Top Side w0.25: R8.2@11.75,-64 v1(13.875,-61.875) 16,-59.75 U1.14@18.8,-59.75 ; X1.54@63.575,-72.21 v1(66.1,-72.21) 75.15,-72.21 76.4,-73.46 80.42,-73.46 81.67,-72.21 X2.54@83.575,-72.21 95.15,-72.21 96.4,-73.46 100.42,-73.46 101.67,-72.21 X3.54@103.575,-72.21 115.15,-72.21 116.4,-73.46 120.42,-73.46 121.67,-72.21 X4.54@123.575,-72.21 135.15,-72.21 136.4,-73.46 140.42,-73.46 141.67,-72.21 X5.54@143.575,-72.21 155.15,-72.21 156.4,-73.46 160.42,-73.46 161.67,-72.21 X6.54@163.575,-72.21 175.15,-72.21 176.4,-73.46 180.42,-73.46 181.67,-72.21 X7.54@183.575,-72.21 195.15,-72.21 196.4,-73.46 200.42,-73.46 201.67,-72.21 X8.54@203.575,-72.21
  Bottom Layer w0.25: v1(13.875,-61.875) 13.875,-62.65 22.525,-71.3 65.19,-71.3 v1(66.1,-72.21)
SEL3#: R7.2 U1.13 X1.56 X2.56 X3.56 X4.56 X5.56 X6.56 X7.56 X8.56 | length 207.9
  Top Side w0.25: v1(12.4,-62.1) 12.4,-61.4 R7.2@11.75,-60.75 13.25,-59.25 U1.13@18.8,-59.25 ; X1.56@63.575,-74.75 v1(65.775,-74.75) v1(74.9,-74.75) ; v1(81.525,-74.75) X2.56@83.575,-74.75 v1(94.9,-74.75) ; v1(101.525,-74.75) X3.56@103.575,-74.75 v1(114.9,-74.75) ; v1(121.525,-74.75) X4.56@123.575,-74.75 v1(134.9,-74.75) ; v1(141.525,-74.75) X5.56@143.575,-74.75 v1(154.9,-74.75) ; v1(161.525,-74.75) X6.56@163.575,-74.75 v1(174.9,-74.75) ; v1(181.525,-74.75) X7.56@183.575,-74.75 v1(194.9,-74.75) ; v1(201.525,-74.75) X8.56@203.575,-74.75
  Bottom Layer w0.25: v1(12.4,-62.1) 22.2,-71.9 62.925,-71.9 v1(65.775,-74.75) ; v1(74.9,-74.75) v1(81.525,-74.75) ; v1(94.9,-74.75) v1(101.525,-74.75) ; v1(114.9,-74.75) v1(121.525,-74.75) ; v1(134.9,-74.75) v1(141.525,-74.75) ; v1(154.9,-74.75) v1(161.525,-74.75) ; v1(174.9,-74.75) v1(181.525,-74.75) ; v1(194.9,-74.75) v1(201.525,-74.75)
TXC: J2.8 U1.6 | length 18.9
  Top Side w0.25: J2.8@11.075,-41.54 12.315,-41.54 15.4,-44.625 15.4,-53.7 17.45,-55.75 U1.6@18.8,-55.75
TXD: U1.37 X1.40 X2.40 X3.40 X4.40 X5.40 X6.40 X7.40 X8.40 | length 193.5
  Top Side w0.25: U1.37@28.75,-64.7 28.75,-63.35 29.675,-62.425 v1(30.375,-62.425) ; X1.40@63.575,-54.43 63.605,-54.4 v1(69.95,-54.4) 75.12,-54.4 76.4,-55.68 80.42,-55.68 81.67,-54.43 X2.40@83.575,-54.43 95.15,-54.43 96.4,-55.68 100.42,-55.68 101.67,-54.43 X3.40@103.575,-54.43 115.15,-54.43 116.4,-55.68 120.42,-55.68 121.67,-54.43 X4.40@123.575,-54.43 135.15,-54.43 136.4,-55.68 140.42,-55.68 141.67,-54.43 X5.40@143.575,-54.43 155.15,-54.43 156.4,-55.68 160.42,-55.68 161.67,-54.43 X6.40@163.575,-54.43 175.15,-54.43 176.4,-55.68 180.42,-55.68 181.67,-54.43 X7.40@183.575,-54.43 195.15,-54.43 196.4,-55.68 200.42,-55.68 201.67,-54.43 X8.40@203.575,-54.43
  Bottom Layer w0.25: v1(30.375,-62.425) 32.575,-62.425 34.6,-60.4 63.025,-60.4 69.025,-54.4 v1(69.95,-54.4)
WR#: U1.60 X1.12 X2.12 X3.12 X4.12 X5.12 X6.12 X7.12 X8.12 | length 213
  Top Side w0.25: U1.60@32.2,-53.25 33.45,-53.25 40.8,-45.9 v1(40.8,-35.8) ; X1.12@63.575,-18.87 v1(66.1,-18.87) 75.15,-18.87 76.4,-20.12 80.42,-20.12 81.67,-18.87 X2.12@83.575,-18.87 95.15,-18.87 96.4,-20.12 100.42,-20.12 101.67,-18.87 X3.12@103.575,-18.87 115.15,-18.87 116.4,-20.12 120.42,-20.12 121.67,-18.87 X4.12@123.575,-18.87 135.15,-18.87 136.4,-20.12 140.42,-20.12 141.67,-18.87 X5.12@143.575,-18.87 155.15,-18.87 156.4,-20.12 160.42,-20.12 161.67,-18.87 X6.12@163.575,-18.87 175.15,-18.87 176.4,-20.12 180.42,-20.12 181.67,-18.87 X7.12@183.575,-18.87 195.15,-18.87 196.4,-20.12 200.42,-20.12 201.67,-18.87 X8.12@203.575,-18.87
  Bottom Layer w0.25: v1(40.8,-35.8) 66.6,-35.8 67.9,-34.5 67.9,-20.67 v1(66.1,-18.87)
pads on no net: J1.0 J2.0 J3.0 MOD1.8 MOD1.9 MOD1.11 MOD1.12 U1.5 U1.8 U1.17 U1.18 U1.19 U1.23 U1.41 U1.42 U1.43 U1.59 U1.FTG1 U1.FTG2 X1.0 X1.3 X1.4 X2.0 X2.3 X2.4 X3.0 X3.3 X3.4 X4.0 X4.3 X4.4 X5.0 X5.3 X5.4 X6.0 X6.3 X6.4 X7.0 X7.3 X7.4 X8.0 X8.3 X8.4

## Polygon pours and split planes (outlines as drawn)
GND on Bottom Layer "GND_L02_P006" (solid, pour order 6): 1,-4.302 cw(c3.54,-4.302) 1.744,-2.506 2.506,-1.744 cw(c4.302,-3.54) 4.302,-1 203.948,-1 cw(c203.948,-3.54) 205.744,-1.744 206.256,-2.256 cw(c204.46,-4.052) 207,-4.052 207,-81.698 cw(c204.46,-81.698) 206.256,-83.494 205.494,-84.256 cw(c203.698,-82.46) 203.698,-85 4.302,-85 cw(c4.302,-82.46) 2.506,-84.256 1.744,-83.494 cw(c3.54,-81.698) 1,-81.698
GND on Top Side "GND_L01_P008" (solid, pour order 8): 1,-4.302 cw(c3.54,-4.302) 1.744,-2.506 2.506,-1.744 cw(c4.302,-3.54) 4.302,-1 203.948,-1 cw(c203.948,-3.54) 205.744,-1.744 206.256,-2.256 cw(c204.46,-4.052) 207,-4.052 207,-81.698 cw(c204.46,-81.698) 206.256,-83.494 205.494,-84.256 cw(c203.698,-82.46) 203.698,-85 4.302,-85 cw(c4.302,-82.46) 2.506,-84.256 1.744,-83.494 cw(c3.54,-81.698) 1,-81.698

## Silkscreen, mask and mechanical layers (free items; w line width, h text height)
Top Overlay:
  lines w0.15: 29.475,-82.175 25.7,-78.4 ; 25.7,-78.4 25.7,-78.4
  text "ON" at 11.475,-6.55 h3
  text "GND" at 52.6,-6.8 h2
  text "GND" at 65.7,-6.8 h2
  text "GND" at 92.6,-6.8 h2
  text "GND" at 105.7,-6.8 h2
  text "GND" at 132.6,-6.8 h2
  text "GND" at 145.7,-6.8 h2
  text "GND" at 172.6,-6.8 h2
  text "GND" at 185.7,-6.8 h2
  text "MCLR" at 51.251,-11.849 h2
  text "MCLR" at 91.251,-11.849 h2
  text "MCLR" at 131.251,-11.849 h2
  text "MCLR" at 171.251,-11.849 h2
  text "RESET" at 65.7,-11.9 h2
  text "RESET" at 105.7,-11.9 h2
  text "RESET" at 145.7,-11.9 h2
  text "RESET" at 185.7,-11.9 h2
  text "+3V3" at 52.3,-14.4 h2
  text "+3V3" at 65.7,-14.4 h2
  text "+3V3" at 92.3,-14.4 h2
  text "+3V3" at 105.7,-14.4 h2
  text "+3V3" at 132.3,-14.4 h2
  text "+3V3" at 145.7,-14.4 h2
  text "+3V3" at 172.3,-14.4 h2
  text "+3V3" at 185.7,-14.4 h2
  text "BUS" at 65.866,-16.895 h2
  text "BUS" at 105.866,-16.895 h2
  text "BUS" at 145.866,-16.895 h2
  text "BUS" at 185.866,-16.895 h2
  text "INT0" at 52.6,-17 h2
  text "INT0" at 92.6,-17 h2
  text "INT0" at 132.6,-17 h2
  text "INT0" at 172.6,-17 h2
  text "WR" at 65.866,-19.435 h2
  text "WR" at 105.866,-19.435 h2
  text "WR" at 145.866,-19.435 h2
  text "WR" at 185.866,-19.435 h2
  text "INT1" at 52.7,-19.5 h2
  text "INT1" at 92.7,-19.5 h2
  text "INT1" at 132.7,-19.5 h2
  text "INT1" at 172.7,-19.5 h2
  text "RD" at 65.866,-21.975 h2
  text "RD" at 105.866,-21.975 h2
  text "RD" at 145.866,-21.975 h2
  text "RD" at 185.866,-21.975 h2
  text "INT2" at 52.7,-22 h2
  text "INT2" at 92.7,-22 h2
  text "INT2" at 132.7,-22 h2
  text "INT2" at 172.7,-22 h2
  text "A0" at 54,-24.5 h2
  text "A0" at 94,-24.5 h2
  text "A0" at 134,-24.5 h2
  text "A0" at 174,-24.5 h2
  text "A12" at 65.866,-24.515 h2
  text "A12" at 105.866,-24.515 h2
  text "A12" at 145.866,-24.515 h2
  text "A12" at 185.866,-24.515 h2
  text "A13" at 65.866,-27.055 h2
  text "A13" at 105.866,-27.055 h2
  text "A13" at 145.866,-27.055 h2
  text "A13" at 185.866,-27.055 h2
  text "A1" at 54.1,-27.1 h2
  text "A1" at 94.1,-27.1 h2
  text "A1" at 134.1,-27.1 h2
  text "A1" at 174.1,-27.1 h2
  text "5-14VDC" at 1.025,-28.875 h3
  text "A2" at 54,-29.6 h2
  text "A14" at 65.866,-29.595 h2
  text "A2" at 94,-29.6 h2
  text "A14" at 105.866,-29.595 h2
  text "A2" at 134,-29.6 h2
  text "A14" at 145.866,-29.595 h2
  text "A2" at 174,-29.6 h2
  text "A14" at 185.866,-29.595 h2
  text "A15" at 65.866,-32.135 h2
  text "A15" at 105.866,-32.135 h2
  text "A15" at 145.866,-32.135 h2
  text "A15" at 185.866,-32.135 h2
  text "A3" at 54.1,-32.2 h2
  text "A3" at 94.1,-32.2 h2
  text "A3" at 134.1,-32.2 h2
  text "A3" at 174.1,-32.2 h2
  text "INT3" at 13.975,-34.625 h2 r45
  text "A16" at 65.866,-34.675 h2
  text "A16" at 105.866,-34.675 h2
  text "A16" at 145.866,-34.675 h2
  text "A16" at 185.866,-34.675 h2
  text "A4" at 54,-34.7 h2
  text "A4" at 94,-34.7 h2
  text "A4" at 134,-34.7 h2
  text "A4" at 174,-34.7 h2
  text "MCLR" at 0.875,-37.125 h2 r45
  text "A17" at 65.8,-37.2 h2
  text "A17" at 105.8,-37.2 h2
  text "A17" at 145.8,-37.2 h2
  text "A17" at 185.8,-37.2 h2
  text "A5" at 54,-37.3 h2
  text "A5" at 94,-37.3 h2
  text "A5" at 134,-37.3 h2
  text "A5" at 174,-37.3 h2
  text "GND" at 13.85,-37.35 h2 r45
  text "+3V3" at 1.15,-39.5 h2 r45
  text "A18" at 65.7,-39.7 h2
  text "A18" at 105.7,-39.7 h2
  text "A18" at 145.7,-39.7 h2
  text "A18" at 185.7,-39.7 h2
  text "A6" at 54.1,-39.8 h2
  text "A6" at 94.1,-39.8 h2
  text "A6" at 134.1,-39.8 h2
  text "A6" at 174.1,-39.8 h2
  text "RESET" at 14.025,-39.9 h2 r45
  text "GND" at 1.45,-41.8 h2 r45
  text "A7" at 54.1,-42.4 h2
  text "A19" at 65.8,-42.4 h2
  text "A7" at 94.1,-42.4 h2
  text "A19" at 105.8,-42.4 h2
  text "A7" at 134.1,-42.4 h2
  text "A19" at 145.8,-42.4 h2
  text "A7" at 174.1,-42.4 h2
  text "A19" at 185.8,-42.4 h2
  text "CON-TX" at 13.9,-42.575 h2 r45
  text "PGD" at 1.575,-44.225 h2 r45
  text "A20" at 65.7,-44.8 h2
  text "A20" at 105.7,-44.8 h2
  text "A20" at 145.7,-44.8 h2
  text "A20" at 185.7,-44.8 h2
  text "A8" at 54.2,-44.9 h2
  text "A8" at 94.2,-44.9 h2
  text "A8" at 134.2,-44.9 h2
  text "A8" at 174.2,-44.9 h2
  text "CON-RX" at 14.025,-45.1 h2 r45
  text "PGC" at 1.475,-46.8 h2 r45
  text "A9" at 54.1,-47.4 h2
  text "A21" at 65.7,-47.4 h2
  text "A9" at 94.1,-47.4 h2
  text "A21" at 105.7,-47.4 h2
  text "A9" at 134.1,-47.4 h2
  text "A21" at 145.7,-47.4 h2
  text "A9" at 174.1,-47.4 h2
  text "A21" at 185.7,-47.4 h2
  text "A10" at 53.2,-50 h2
  text "A22" at 65.7,-50 h2
  text "A10" at 93.2,-50 h2
  text "A22" at 105.7,-50 h2
  text "A10" at 133.2,-50 h2
  text "A22" at 145.7,-50 h2
  text "A10" at 173.2,-50 h2
  text "A22" at 185.7,-50 h2
  text "A23" at 65.7,-52.5 h2
  text "A23" at 105.7,-52.5 h2
  text "A23" at 145.7,-52.5 h2
  text "A23" at 185.7,-52.5 h2
  text "A11" at 53.3,-52.6 h2
  text "A11" at 93.3,-52.6 h2
  text "A11" at 133.3,-52.6 h2
  text "A11" at 173.3,-52.6 h2
  text "D0" at 54.3,-55.1 h2
  text "TXD" at 65.8,-55.1 h2
  text "D0" at 94.3,-55.1 h2
  text "TXD" at 105.8,-55.1 h2
  text "D0" at 134.3,-55.1 h2
  text "TXD" at 145.8,-55.1 h2
  text "D0" at 174.3,-55.1 h2
  text "TXD" at 185.8,-55.1 h2
  text "RXD" at 65.9,-57.5 h2
  text "RXD" at 105.9,-57.5 h2
  text "RXD" at 145.9,-57.5 h2
  text "RXD" at 185.9,-57.5 h2
  text "D1" at 54.3,-57.7 h2
  text "D1" at 94.3,-57.7 h2
  text "D1" at 134.3,-57.7 h2
  text "D1" at 174.3,-57.7 h2
  text "RESET" at 6.45,-59.5 h3 r90
  text "D2" at 54.3,-60.2 h2
  text "SCLK" at 65.7,-60.2 h2
  text "D2" at 94.3,-60.2 h2
  text "SCLK" at 105.7,-60.2 h2
  text "D2" at 134.3,-60.2 h2
  text "SCLK" at 145.7,-60.2 h2
  text "D2" at 174.3,-60.2 h2
  text "SCLK" at 185.7,-60.2 h2
  text "MOSI" at 65.866,-62.615 h2
  text "MOSI" at 105.866,-62.615 h2
  text "MOSI" at 145.866,-62.615 h2
  text "MOSI" at 185.866,-62.615 h2
  text "D3" at 54.3,-62.7 h2
  text "D3" at 94.3,-62.7 h2
  text "D3" at 134.3,-62.7 h2
  text "D3" at 174.3,-62.7 h2
  text "MISO" at 65.934,-65.155 h2
  text "MISO" at 105.934,-65.155 h2
  text "MISO" at 145.934,-65.155 h2
  text "MISO" at 185.934,-65.155 h2
  text "D4" at 54.3,-65.2 h2
  text "D4" at 94.3,-65.2 h2
  text "D4" at 134.3,-65.2 h2
  text "D4" at 174.3,-65.2 h2
  text "SEL0" at 65.8,-67.7 h2
  text "SEL0" at 105.8,-67.7 h2
  text "SEL0" at 145.8,-67.7 h2
  text "SEL0" at 185.8,-67.7 h2
  text "D5" at 54.3,-67.8 h2
  text "D5" at 94.3,-67.8 h2
  text "D5" at 134.3,-67.8 h2
  text "D5" at 174.3,-67.8 h2
  text "IO1" at 37.3,-70.1 h2 r45
  text "IO3" at 39.8,-70.1 h2 r45
  text "IO5" at 42.4,-70.1 h2 r45
  text "IO7" at 44.8,-70.1 h2 r45
  text "GND" at 47.1,-70.2 h2 r45
  text "D6" at 54.3,-70.3 h2
  text "SEL1" at 65.8,-70.3 h2
  text "D6" at 94.3,-70.3 h2
  text "SEL1" at 105.8,-70.3 h2
  text "D6" at 134.3,-70.3 h2
  text "SEL1" at 145.8,-70.3 h2
  text "D6" at 174.3,-70.3 h2
  text "SEL1" at 185.8,-70.3 h2
  text "SEL2" at 65.8,-72.8 h2
  text "SEL2" at 105.8,-72.8 h2
  text "SEL2" at 145.8,-72.8 h2
  text "SEL2" at 185.8,-72.8 h2
  text "D7" at 54.3,-72.9 h2
  text "D7" at 94.3,-72.9 h2
  text "D7" at 134.3,-72.9 h2
  text "D7" at 174.3,-72.9 h2
  text "GND" at 52.5,-75.4 h2
  text "SEL3" at 65.8,-75.4 h2
  text "GND" at 92.5,-75.4 h2
  text "SEL3" at 105.8,-75.4 h2
  text "GND" at 132.5,-75.4 h2
  text "SEL3" at 145.8,-75.4 h2
  text "GND" at 172.5,-75.4 h2
  text "SEL3" at 185.8,-75.4 h2
  text "Base 18" at 3.275,-77.55 h4 r90
  text "J10 © KnivD @me.com" at 5.5,-77.55 h1.8 r90
  text "+Vin" at 52.7,-77.8 h2
  text "+Vin" at 92.7,-77.8 h2
  text "+Vin" at 132.7,-77.8 h2
  text "+Vin" at 172.7,-77.8 h2
  text "+Vin" at 65.6,-77.9 h2
  text "+Vin" at 105.6,-77.9 h2
  text "+Vin" at 145.6,-77.9 h2
  text "+Vin" at 185.6,-77.9 h2
  text "GND" at 52.5,-80.5 h2
  text "GND" at 65.6,-80.5 h2
  text "GND" at 92.5,-80.5 h2
  text "GND" at 105.6,-80.5 h2
  text "GND" at 132.5,-80.5 h2
  text "GND" at 145.6,-80.5 h2
  text "GND" at 172.5,-80.5 h2
  text "GND" at 185.6,-80.5 h2
  text "IO0" at 37,-82 h2 r45
  text "IO2" at 39.6,-82 h2 r45
  text "IO4" at 42.1,-82.1 h2 r45
  text "IO6" at 44.6,-82.1 h2 r45
  text "+3V3" at 46.5,-82.8 h2 r45
Mechanical 1:
  the board outline again, w0.4
Drill Drawing:
  text "PCB parameters: HASL, FR-4, 1.6mm, 1oz, green soldermask, white overlay" at 40,-95 h2